# KiCad board DIP8breakout+potToUSB.kicad_pcb (continued)
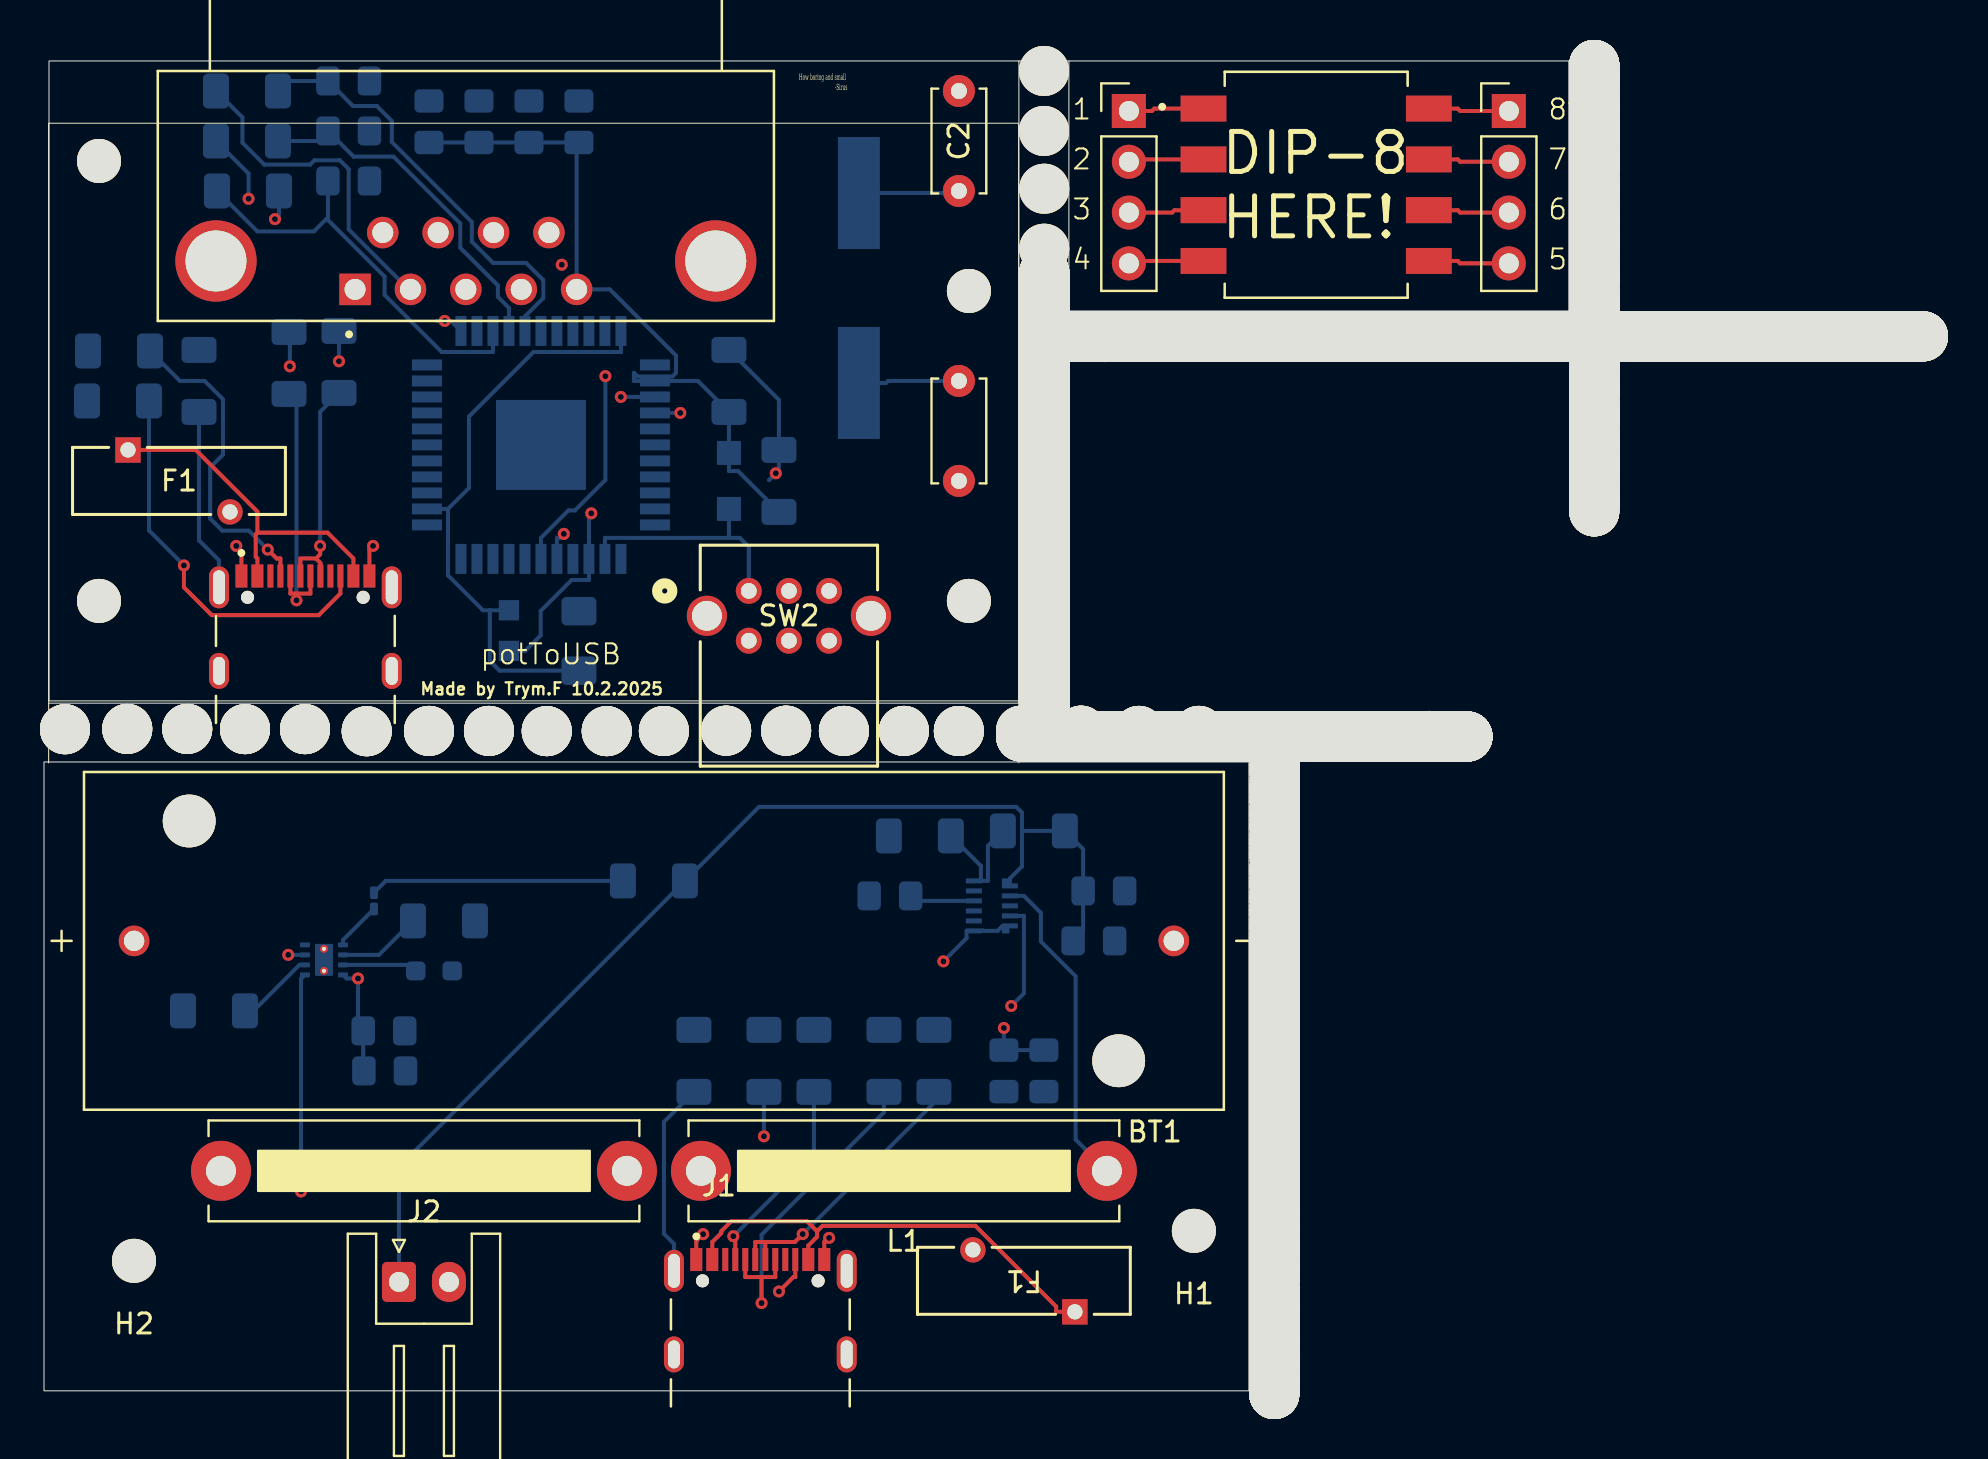
[diagram p0: board, top side]
## Placement (name value [footprint] x y rotation side) (continued)
NOREF#2196  -  [unnamed]  58.86 32.72 0 top
NOREF#2197  -  [unnamed]  67.02 32.72 0 top
NOREF#2198  -  [unnamed]  61.52 12.7 270 top
NOREF#2199  -  [unnamed]  61.52 1.44 270 top
NOREF#2200  -  [unnamed]  77.52 48.54 90 top
NOREF#2201  -  [unnamed]  77.52 64.24 90 top
NOREF#2202  -  [unnamed]  71.18 32.72 0 top
NOREF#2203  -  [unnamed]  62.78 32.72 0 top
NOREF#2204  -  [unnamed]  53.88 32.72 0 top
NOREF#2205  -  [unnamed]  50.02 52.75 90 top
NOREF#2206  -  [unnamed]  77.52 57.04 90 top
NOREF#2207  -  [unnamed]  50.02 45.51 90 top
NOREF#2208  -  [unnamed]  50.02 53.85 90 top
NOREF#2209  -  [unnamed]  66.82 32.72 0 top
NOREF#2210  -  [unnamed]  55.36 32.72 0 top
NOREF#2211  -  [unnamed]  57.82 52.73 180 top
NOREF#2212  -  [unnamed]  50.02 48.21 90 top
NOREF#2213  -  [unnamed]  77.52 60.46 90 top
NOREF#2214  -  [unnamed]  84.3 52.73 180 top
NOREF#2215  -  [unnamed]  61.98 52.73 180 top
NOREF#2216  -  [unnamed]  61.55 25.23 90 top
NOREF#2217  -  [unnamed]  66.82 32.72 0 top
NOREF#2218  -  [unnamed]  56.96 52.73 180 top
NOREF#2219  -  [unnamed]  55.94 52.73 180 top
NOREF#2220  -  [unnamed]  59.22 52.73 180 top
NOREF#2221  -  [unnamed]  61.72 32.72 0 top
NOREF#2222  -  [unnamed]  50.02 52.49 90 top
NOREF#2223  -  [unnamed]  61.52 21.1 270 top
NOREF#2224  -  [unnamed]  50.02 47.81 90 top
NOREF#2225  -  [unnamed]  79.08 52.73 180 top
NOREF#2226  -  [unnamed]  61.52 3.46 270 top
NOREF#2227  -  [unnamed]  61.52 21.96 270 top
NOREF#2228  -  [unnamed]  77.52 53.44 90 top
NOREF#2229  -  [unnamed]  50.02 55.71 90 top
NOREF#2230  -  [unnamed]  61.52 10.04 270 top
NOREF#2231  -  [unnamed]  61.55 31.93 90 top
NOREF#2232  -  [unnamed]  77.52 59.26 90 top
NOREF#2233  -  [unnamed]  77.52 46.24 90 top
NOREF#2234  -  [unnamed]  64.94 32.72 0 top
NOREF#2235  -  [unnamed]  66.2 52.73 180 top
NOREF#2236  -  [unnamed]  68.72 32.72 0 top
NOREF#2237  -  [unnamed]  61.52 15.92 270 top
NOREF#2238  -  [unnamed]  61.55 19.81 90 top
NOREF#2239  -  [unnamed]  61.52 14.92 270 top
NOREF#2240  -  [unnamed]  61.52 6.14 270 top
NOREF#2241  -  [unnamed]  82.1 52.73 180 top
NOREF#2242  -  [unnamed]  50.02 49.87 90 top
NOREF#2243  -  [unnamed]  69.62 52.73 180 top
NOREF#2244  -  [unnamed]  58.56 52.73 180 top
NOREF#2245  -  [unnamed]  61.52 15.46 270 top
NOREF#2246  -  [unnamed]  51.98 52.73 180 top
NOREF#2247  -  [unnamed]  61.52 17.6 270 top
NOREF#2248  -  [unnamed]  60.38 52.73 180 top
NOREF#2249  -  [unnamed]  77.52 47.34 90 top
NOREF#2250  -  [unnamed]  49.72 32.72 0 top
NOREF#2251  -  [unnamed]  76.86 52.73 180 top
NOREF#2252  -  [unnamed]  67.4 52.73 180 top
NOREF#2253  -  [unnamed]  77.52 53.44 90 top
NOREF#2254  -  [unnamed]  77.52 60.46 90 top
NOREF#2255  -  [unnamed]  61.52 8.9 270 top
NOREF#2256  -  [unnamed]  61.55 23.53 90 top
NOREF#2257  -  [unnamed]  61.55 19.81 90 top
NOREF#2258  -  [unnamed]  61.55 11.21 90 top
NOREF#2259  -  [unnamed]  50.02 52.75 90 top
NOREF#2260  -  [unnamed]  59.02 52.73 180 top
NOREF#2261  -  [unnamed]  60.38 52.73 180 top
NOREF#2262  -  [unnamed]  61.52 2.6 270 top
NOREF#2263  -  [unnamed]  87.06 52.73 180 top
NOREF#2264  -  [unnamed]  73.44 52.73 180 top
NOREF#2265  -  [unnamed]  50.02 33.99 90 top
NOREF#2266  -  [unnamed]  61.52 6.34 270 top
NOREF#2267  -  [unnamed]  74.4 52.73 180 top
NOREF#2268  -  [unnamed]  61.55 20.27 90 top
NOREF#2269  -  [unnamed]  61.55 18.87 90 top
NOREF#2270  -  [unnamed]  66.74 52.73 180 top
NOREF#2271  -  [unnamed]  61.55 19.61 90 top
NOREF#2272  -  [unnamed]  79.74 52.73 180 top
NOREF#2273  -  [unnamed]  65.14 52.73 180 top
NOREF#2274  -  [unnamed]  57.62 52.73 180 top
NOREF#2275  -  [unnamed]  51.32 32.72 0 top
NOREF#2276  -  [unnamed]  61.52 9.1 270 top
NOREF#2277  -  [unnamed]  69.42 52.73 180 top
NOREF#2278  -  [unnamed]  77.52 60.46 90 top
NOREF#2279  -  [unnamed]  61.55 15.45 90 top
NOREF#2280  -  [unnamed]  80.24 52.73 180 top
NOREF#2281  -  [unnamed]  50.02 35.59 90 top
NOREF#2282  -  [unnamed]  60.38 52.73 180 top
NOREF#2283  -  [unnamed]  77.52 49 90 top
NOREF#2284  -  [unnamed]  92.36 52.73 180 top
NOREF#2285  -  [unnamed]  69.78 32.72 0 top
NOREF#2286  -  [unnamed]  60.92 52.73 180 top
NOREF#2287  -  [unnamed]  78.14 52.73 180 top
NOREF#2288  -  [unnamed]  87.46 52.73 180 top
NOREF#2289  -  [unnamed]  77.52 63.84 90 top
NOREF#2290  -  [unnamed]  61.52 13.86 270 top
NOREF#2291  -  [unnamed]  72.7 52.73 180 top
NOREF#2292  -  [unnamed]  61.52 20.56 270 top
NOREF#2293  -  [unnamed]  77.52 44.38 90 top
NOREF#2294  -  [unnamed]  50.02 33.59 90 top
NOREF#2295  -  [unnamed]  61.52 7.94 270 top
NOREF#2296  -  [unnamed]  67.6 52.73 180 top
NOREF#2297  -  [unnamed]  58.52 32.72 0 top
NOREF#2298  -  [unnamed]  50.02 54.31 90 top
NOREF#2299  -  [unnamed]  50.02 42.39 90 top
NOREF#2300  -  [unnamed]  50.02 49.41 90 top
NOREF#2301  -  [unnamed]  61.52 0.9 270 top
NOREF#2302  -  [unnamed]  51.52 52.73 180 top
NOREF#2303  -  [unnamed]  57.86 32.72 0 top
NOREF#2304  -  [unnamed]  72.38 52.73 180 top
NOREF#2305  -  [unnamed]  84.5 52.73 180 top
NOREF#2306  -  [unnamed]  62.78 52.73 180 top
NOREF#2307  -  [unnamed]  50.02 35.39 90 top
NOREF#2308  -  [unnamed]  77.52 50.02 90 top
NOREF#2309  -  [unnamed]  61.52 19.5 270 top
NOREF#2310  -  [unnamed]  71.64 52.73 180 top
NOREF#2311  -  [unnamed]  82.3 52.73 180 top
NOREF#2312  -  [unnamed]  51.32 32.72 0 top
NOREF#2313  -  [unnamed]  61.52 4.2 270 top
NOREF#2314  -  [unnamed]  77.52 45.04 90 top
NOREF#2315  -  [unnamed]  77.52 57.04 90 top
NOREF#2316  -  [unnamed]  68.22 52.73 180 top
NOREF#2317  -  [unnamed]  76.86 52.73 180 top
NOREF#2318  -  [unnamed]  50.02 51.35 90 top
NOREF#2319  -  [unnamed]  57.62 52.73 180 top
NOREF#2320  -  [unnamed]  61.52 21.1 270 top
NOREF#2321  -  [unnamed]  77.52 57.04 90 top
NOREF#2322  -  [unnamed]  73.24 52.73 180 top
NOREF#2323  -  [unnamed]  61.52 4.66 270 top
NOREF#2324  -  [unnamed]  64.68 32.72 0 top
NOREF#2325  -  [unnamed]  90.34 52.73 180 top
NOREF#2326  -  [unnamed]  81.84 52.73 180 top
NOREF#2327  -  [unnamed]  77.52 64.04 90 top
NOREF#2328  -  [unnamed]  50.02 48.87 90 top
NOREF#2329  -  [unnamed]  61.52 3.66 270 top
NOREF#2330  -  [unnamed]  77.52 53.98 90 top
NOREF#2331  -  [unnamed]  61.55 12.77 90 top
NOREF#2332  -  [unnamed]  77.52 44.38 90 top
NOREF#2333  -  [unnamed]  69.62 52.73 180 top
NOREF#2334  -  [unnamed]  59.92 52.73 180 top
NOREF#2335  -  [unnamed]  61.55 22.27 90 top
NOREF#2336  -  [unnamed]  61.52 2.8 270 top
NOREF#2337  -  [unnamed]  64.68 32.72 0 top
NOREF#2338  -  [unnamed]  51.78 52.73 180 top
NOREF#2339  -  [unnamed]  77.52 45.04 90 top
NOREF#2340  -  [unnamed]  53.58 52.73 180 top
NOREF#2341  -  [unnamed]  62.38 32.72 0 top
NOREF#2342  -  [unnamed]  61.55 19.81 90 top
NOREF#2343  -  [unnamed]  61.55 23.33 90 top
NOREF#2344  -  [unnamed]  87.26 52.73 180 top
NOREF#2345  -  [unnamed]  80.9 52.73 180 top
NOREF#2346  -  [unnamed]  87.72 52.73 180 top
NOREF#2347  -  [unnamed]  50.02 52.29 90 top
NOREF#2348  -  [unnamed]  77.52 61.74 90 top
NOREF#2349  -  [unnamed]  85.66 52.73 180 top
NOREF#2350  -  [unnamed]  53.42 32.72 0 top
NOREF#2351  -  [unnamed]  61.55 22.93 90 top
NOREF#2352  -  [unnamed]  61.55 29.17 90 top
NOREF#2353  -  [unnamed]  52.22 32.72 0 top
NOREF#2354  -  [unnamed]  61.55 31.07 90 top
NOREF#2355  -  [unnamed]  51.98 52.73 180 top
NOREF#2356  -  [unnamed]  77.52 56.3 90 top
NOREF#2357  -  [unnamed]  61.52 4.2 270 top
NOREF#2358  -  [unnamed]  77.52 65.9 90 top
NOREF#2359  -  [unnamed]  50.02 48.01 90 top
NOREF#2360  -  [unnamed]  77.52 61.08 90 top
NOREF#2361  -  [unnamed]  60.32 32.72 0 top
NOREF#2362  -  [unnamed]  50.02 42.39 90 top
NOREF#2363  -  [unnamed]  50.02 43.79 90 top
NOREF#2364  -  [unnamed]  77.52 60.26 90 top
NOREF#2365  -  [unnamed]  56.5 32.72 0 top
NOREF#2366  -  [unnamed]  50.02 45.71 90 top
NOREF#2367  -  [unnamed]  61.52 1.44 270 top
NOREF#2368  -  [unnamed]  54.08 52.73 180 top
NOREF#2369  -  [unnamed]  72.58 52.73 180 top
NOREF#2370  -  [unnamed]  83.96 52.73 180 top
NOREF#2371  -  [unnamed]  62.58 52.73 180 top
NOREF#2372  -  [unnamed]  80.9 52.73 180 top
NOREF#2373  -  [unnamed]  75.46 52.73 180 top
NOREF#2374  -  [unnamed]  52.68 32.72 0 top
NOREF#2375  -  [unnamed]  66.94 52.73 180 top
NOREF#2376  -  [unnamed]  61.52 11.76 270 top
NOREF#2377  -  [unnamed]  77.52 44.38 90 top
NOREF#2378  -  [unnamed]  88.94 52.73 180 top
NOREF#2379  -  [unnamed]  61.52 0.5 270 top
NOREF#2380  -  [unnamed]  67.36 32.72 0 top
NOREF#2381  -  [unnamed]  61.52 12.5 270 top
NOREF#2382  -  [unnamed]  62.58 32.72 0 top
NOREF#2383  -  [unnamed]  80.24 52.73 180 top
NOREF#2384  -  [unnamed]  61.52 -0.16 270 top
NOREF#2385  -  [unnamed]  62.38 52.73 180 top
NOREF#2386  -  [unnamed]  61.52 19.4 270 top
NOREF#2387  -  [unnamed]  61.52 8.44 270 top
NOREF#2388  -  [unnamed]  92.16 52.73 180 top
NOREF#2389  -  [unnamed]  73.04 52.73 180 top
NOREF#2390  -  [unnamed]  61.52 19 270 top
NOREF#2391  -  [unnamed]  61.55 28.77 90 top
NOREF#2392  -  [unnamed]  79.54 52.73 180 top
NOREF#2393  -  [unnamed]  57.16 32.72 0 top
NOREF#2394  -  [unnamed]  76.46 52.73 180 top
NOREF#2395  -  [unnamed]  77.52 57.3 90 top
NOREF#2396  -  [unnamed]  50.02 40.83 90 top
NOREF#2397  -  [unnamed]  50.02 41.03 90 top
NOREF#2398  -  [unnamed]  61.52 14.72 270 top
NOREF#2399  -  [unnamed]  61.18 32.72 0 top
NOREF#2400  -  [unnamed]  50.02 34.85 90 top
NOREF#2401  -  [unnamed]  50.02 40.29 90 top
NOREF#2402  -  [unnamed]  50.02 44.45 90 top
NOREF#2403  -  [unnamed]  71.18 52.73 180 top
NOREF#2404  -  [unnamed]  66.2 52.73 180 top
NOREF#2405  -  [unnamed]  61.32 52.73 180 top
NOREF#2406  -  [unnamed]  49.26 32.72 0 top
NOREF#2407  -  [unnamed]  61.55 17.71 90 top
NOREF#2408  -  [unnamed]  81.44 52.73 180 top
NOREF#2409  -  [unnamed]  77.52 49.82 90 top
NOREF#2410  -  [unnamed]  77.52 51.42 90 top
NOREF#2411  -  [unnamed]  78.14 52.73 180 top
NOREF#2412  -  [unnamed]  61.55 29.67 90 top
NOREF#2413  -  [unnamed]  50.02 42.19 90 top
NOREF#2414  -  [unnamed]  61.52 21.76 270 top
NOREF#2415  -  [unnamed]  73.24 52.73 180 top
NOREF#2416  -  [unnamed]  91 52.73 180 top
NOREF#2417  -  [unnamed]  91.3 52.73 180 top
NOREF#2418  -  [unnamed]  79.08 52.73 180 top
NOREF#2419  -  [unnamed]  50.02 53.85 90 top
NOREF#2420  -  [unnamed]  88.94 52.73 180 top
NOREF#2421  -  [unnamed]  61.55 30.87 90 top
NOREF#2422  -  [unnamed]  70.32 32.72 0 top
NOREF#2423  -  [unnamed]  82.5 52.73 180 top
NOREF#2424  -  [unnamed]  50.66 32.72 0 top
NOREF#2425  -  [unnamed]  69.78 32.72 0 top
NOREF#2426  -  [unnamed]  62.58 52.73 180 top
NOREF#2427  -  [unnamed]  90.8 52.73 180 top
NOREF#2428  -  [unnamed]  72.5 52.73 180 top
NOREF#2429  -  [unnamed]  61.58 52.73 180 top
NOREF#2430  -  [unnamed]  77.52 57.04 90 top
NOREF#2431  -  [unnamed]  50.02 49.41 90 top
NOREF#2432  -  [unnamed]  67.16 32.72 0 top
NOREF#2433  -  [unnamed]  50.02 37.21 90 top
NOREF#2434  -  [unnamed]  57.46 32.72 0 top
NOREF#2435  -  [unnamed]  58.16 52.73 180 top
NOREF#2436  -  [unnamed]  77.52 54.18 90 top
NOREF#2437  -  [unnamed]  81.64 52.73 180 top
NOREF#2438  -  [unnamed]  52.48 32.72 0 top
NOREF#2439  -  [unnamed]  77.52 62.48 90 top
NOREF#2440  -  [unnamed]  93.76 52.73 180 top
NOREF#2441  -  [unnamed]  65.34 32.72 0 top
NOREF#2442  -  [unnamed]  77.52 49.82 90 top
NOREF#2443  -  [unnamed]  80.9 52.73 180 top
NOREF#2444  -  [unnamed]  77.52 57.04 90 top
NOREF#2445  -  [unnamed]  77.52 47.14 90 top
NOREF#2446  -  [unnamed]  62.78 52.73 180 top
NOREF#2447  -  [unnamed]  61.55 10.67 90 top
NOREF#2448  -  [unnamed]  61.55 29.27 90 top
NOREF#2449  -  [unnamed]  61.55 10.01 90 top
NOREF#2450  -  [unnamed]  50.02 52.75 90 top
NOREF#2451  -  [unnamed]  77.52 49.82 90 top
NOREF#2452  -  [unnamed]  61.52 4 270 top
NOREF#2453  -  [unnamed]  67.14 52.73 180 top
NOREF#2454  -  [unnamed]  50.02 48.21 90 top
NOREF#2455  -  [unnamed]  61.55 21.47 90 top
NOREF#2456  -  [unnamed]  66.94 52.73 180 top
NOREF#2457  -  [unnamed]  61.52 20.9 270 top
NOREF#2458  -  [unnamed]  68.22 52.73 180 top
NOREF#2459  -  [unnamed]  50.02 36.55 90 top
NOREF#2460  -  [unnamed]  54.08 32.72 0 top
NOREF#2461  -  [unnamed]  59.72 32.72 0 top
NOREF#2462  -  [unnamed]  50.02 53.45 90 top
NOREF#2463  -  [unnamed]  77.52 45.58 90 top
NOREF#2464  -  [unnamed]  50.02 48.01 90 top
NOREF#2465  -  [unnamed]  52.88 32.72 0 top
NOREF#2466  -  [unnamed]  69.58 32.72 0 top
NOREF#2467  -  [unnamed]  58.36 52.73 180 top
NOREF#2468  -  [unnamed]  50.02 41.89 90 top
NOREF#2469  -  [unnamed]  83.3 52.73 180 top
NOREF#2470  -  [unnamed]  61.52 15.46 270 top
NOREF#2471  -  [unnamed]  93.1 52.73 180 top
NOREF#2472  -  [unnamed]  70.48 52.73 180 top
NOREF#2473  -  [unnamed]  86.72 52.73 180 top
NOREF#2474  -  [unnamed]  65.04 52.73 180 top
NOREF#2475  -  [unnamed]  50.02 55.71 90 top
NOREF#2476  -  [unnamed]  77.52 49.82 90 top
NOREF#2477  -  [unnamed]  61.55 16.31 90 top
NOREF#2478  -  [unnamed]  51.78 52.73 180 top
NOREF#2479  -  [unnamed]  50.02 51.09 90 top
NOREF#2480  -  [unnamed]  61.55 17.71 90 top
NOREF#2481  -  [unnamed]  61.55 31.73 90 top
NOREF#2482  -  [unnamed]  77.52 58.86 90 top
NOREF#2483  -  [unnamed]  55.68 52.73 180 top
NOREF#2484  -  [unnamed]  77.52 47.14 90 top
NOREF#2485  -  [unnamed]  61.55 23.33 90 top
NOREF#2486  -  [unnamed]  61.52 14.92 270 top
NOREF#2487  -  [unnamed]  77.52 54.18 90 top
NOREF#2488  -  [unnamed]  73.44 52.73 180 top
NOREF#2489  -  [unnamed]  89.94 52.73 180 top
NOREF#2490  -  [unnamed]  61.52 13.36 270 top
NOREF#2491  -  [unnamed]  61.55 23.63 90 top
NOREF#2492  -  [unnamed]  50.02 40.83 90 top
NOREF#2493  -  [unnamed]  50.02 52.29 90 top
NOREF#2494  -  [unnamed]  77.52 43.98 90 top
NOREF#2495  -  [unnamed]  54.08 32.72 0 top
NOREF#2496  -  [unnamed]  56.14 52.73 180 top
NOREF#2497  -  [unnamed]  77.52 47.8 90 top
NOREF#2498  -  [unnamed]  69.82 52.73 180 top
NOREF#2499  -  [unnamed]  61.52 2.1 270 top
NOREF#2500  -  [unnamed]  61.52 12.9 270 top
NOREF#2501  -  [unnamed]  75.8 52.73 180 top
NOREF#2502  -  [unnamed]  50.02 38.15 90 top
NOREF#2503  -  [unnamed]  55.9 32.72 0 top
NOREF#2504  -  [unnamed]  61.55 31.53 90 top
NOREF#2505  -  [unnamed]  77.52 50.22 90 top
NOREF#2506  -  [unnamed]  51.98 52.73 180 top
NOREF#2507  -  [unnamed]  61.52 21.5 270 top
NOREF#2508  -  [unnamed]  77.52 48.34 90 top
NOREF#2509  -  [unnamed]  86.72 52.73 180 top
NOREF#2510  -  [unnamed]  71.44 52.73 180 top
NOREF#2511  -  [unnamed]  72.9 52.73 180 top
NOREF#2512  -  [unnamed]  78.88 52.73 180 top
NOREF#2513  -  [unnamed]  77.52 46.44 90 top
NOREF#2514  -  [unnamed]  63.78 52.73 180 top
NOREF#2515  -  [unnamed]  61.55 21.93 90 top
NOREF#2516  -  [unnamed]  63.08 32.72 0 top
NOREF#2517  -  [unnamed]  55.56 32.72 0 top
NOREF#2518  -  [unnamed]  61.52 17.6 270 top
NOREF#2519  -  [unnamed]  88.94 52.73 180 top
NOREF#2520  -  [unnamed]  61.52 4.66 270 top
NOREF#2521  -  [unnamed]  53.38 52.73 180 top
NOREF#2522  -  [unnamed]  77.52 55.64 90 top
NOREF#2523  -  [unnamed]  61.55 23.13 90 top
NOREF#2524  -  [unnamed]  61.52 15.26 270 top
NOREF#2525  -  [unnamed]  50.02 41.69 90 top
NOREF#2526  -  [unnamed]  50.02 51.09 90 top
NOREF#2527  -  [unnamed]  77.52 53.44 90 top
NOREF#2528  -  [unnamed]  61.55 19.81 90 top
NOREF#2529  -  [unnamed]  86.06 52.73 180 top
NOREF#2530  -  [unnamed]  72.5 52.73 180 top
NOREF#2531  -  [unnamed]  61.52 2.8 270 top
NOREF#2532  -  [unnamed]  61.55 10.67 90 top
NOREF#2533  -  [unnamed]  50.02 50.07 90 top
NOREF#2534  -  [unnamed]  54.08 32.72 0 top
NOREF#2535  -  [unnamed]  59.52 52.73 180 top
NOREF#2536  -  [unnamed]  63.94 32.72 0 top
NOREF#2537  -  [unnamed]  61.52 0.04 270 top
NOREF#2538  -  [unnamed]  77.52 47.8 90 top
NOREF#2539  -  [unnamed]  77.52 51.42 90 top
NOREF#2540  -  [unnamed]  89.8 52.73 180 top
NOREF#2541  -  [unnamed]  54.08 52.73 180 top
NOREF#2542  -  [unnamed]  63.28 32.72 0 top
NOREF#2543  -  [unnamed]  61.52 15.46 270 top
NOREF#2544  -  [unnamed]  61.55 23.53 90 top
NOREF#2545  -  [unnamed]  77.52 54.84 90 top
NOREF#2546  -  [unnamed]  50.02 43.05 90 top
NOREF#2547  -  [unnamed]  50.02 53.65 90 top
NOREF#2548  -  [unnamed]  61.52 11.1 270 top
NOREF#2549  -  [unnamed]  52.72 52.73 180 top
NOREF#2550  -  [unnamed]  56.1 32.72 0 top
NOREF#2551  -  [unnamed]  73.9 52.73 180 top
NOREF#2552  -  [unnamed]  67.4 52.73 180 top
NOREF#2553  -  [unnamed]  61.52 17.4 270 top
NOREF#2554  -  [unnamed]  61.52 1.44 270 top
NOREF#2555  -  [unnamed]  61.78 52.73 180 top
NOREF#2556  -  [unnamed]  50.02 47.31 90 top
NOREF#2557  -  [unnamed]  77.52 52.08 90 top
NOREF#2558  -  [unnamed]  61.55 26.71 90 top
NOREF#2559  -  [unnamed]  50.02 35.85 90 top
NOREF#2560  -  [unnamed]  63.78 52.73 180 top
NOREF#2561  -  [unnamed]  77.52 49.2 90 top
NOREF#2562  -  [unnamed]  80.24 52.73 180 top
NOREF#2563  -  [unnamed]  50.02 36.05 90 top
NOREF#2564  -  [unnamed]  61.55 10.47 90 top
NOREF#2565  -  [unnamed]  61.52 3.46 270 top
NOREF#2566  -  [unnamed]  86.32 52.73 180 top
NOREF#2567  -  [unnamed]  61.52 2.1 270 top
NOREF#2568  -  [unnamed]  59.52 32.72 0 top
NOREF#2569  -  [unnamed]  52.68 32.72 0 top
NOREF#2570  -  [unnamed]  50.02 41.69 90 top
NOREF#2571  -  [unnamed]  61.55 23.83 90 top
NOREF#2572  -  [unnamed]  61.52 21.1 270 top
NOREF#2573  -  [unnamed]  61.55 22.13 90 top
NOREF#2574  -  [unnamed]  77.52 44.84 90 top
NOREF#2575  -  [unnamed]  62.38 52.73 180 top
NOREF#2576  -  [unnamed]  61.52 6.54 270 top
NOREF#2577  -  [unnamed]  77.52 52.98 90 top
NOREF#2578  -  [unnamed]  64.48 32.72 0 top
NOREF#2579  -  [unnamed]  61.52 4.4 270 top
NOREF#2580  -  [unnamed]  62.58 32.72 0 top
NOREF#2581  -  [unnamed]  78.14 52.73 180 top
NOREF#2582  -  [unnamed]  50.02 36.95 90 top
NOREF#2583  -  [unnamed]  50.02 52.95 90 top
NOREF#2584  -  [unnamed]  73.7 52.73 180 top
NOREF#2585  -  [unnamed]  61.55 25.63 90 top
NOREF#2586  -  [unnamed]  88.12 52.73 180 top
NOREF#2587  -  [unnamed]  50.02 39.43 90 top
NOREF#2588  -  [unnamed]  50.02 41.89 90 top
NOREF#2589  -  [unnamed]  50.66 32.72 0 top
NOREF#2590  -  [unnamed]  77.52 52.28 90 top
NOREF#2591  -  [unnamed]  83.76 52.73 180 top
NOREF#2592  -  [unnamed]  51.72 52.73 180 top
NOREF#2593  -  [unnamed]  70.98 32.72 0 top
NOREF#2594  -  [unnamed]  60.98 32.72 0 top
NOREF#2595  -  [unnamed]  61.52 1.44 270 top
NOREF#2596  -  [unnamed]  70.98 32.72 0 top
NOREF#2597  -  [unnamed]  83.96 52.73 180 top
NOREF#2598  -  [unnamed]  72.7 52.73 180 top
NOREF#2599  -  [unnamed]  61.55 12.07 90 top
NOREF#2600  -  [unnamed]  77.52 59.06 90 top
NOREF#2601  -  [unnamed]  50.02 40.63 90 top
NOREF#2602  -  [unnamed]  50.02 48.47 90 top
NOREF#2603  -  [unnamed]  61.55 11.87 90 top
NOREF#2604  -  [unnamed]  61.55 12.07 90 top
NOREF#2605  -  [unnamed]  77.52 65.44 90 top
NOREF#2606  -  [unnamed]  61.55 22.67 90 top
NOREF#2607  -  [unnamed]  84.3 52.73 180 top
NOREF#2608  -  [unnamed]  61.55 29.87 90 top
NOREF#2609  -  [unnamed]  77.52 51.62 90 top
NOREF#2610  -  [unnamed]  61.52 11.96 270 top
NOREF#2611  -  [unnamed]  61.55 30.13 90 top
NOREF#2612  -  [unnamed]  73.44 52.73 180 top
NOREF#2613  -  [unnamed]  60.12 52.73 180 top
NOREF#2614  -  [unnamed]  50.46 32.72 0 top
NOREF#2615  -  [unnamed]  61.55 24.69 90 top
NOREF#2616  -  [unnamed]  77.52 54.64 90 top
NOREF#2617  -  [unnamed]  58.56 52.73 180 top
NOREF#2618  -  [unnamed]  61.52 10.3 270 top
NOREF#2619  -  [unnamed]  61.52 3.46 270 top
NOREF#2620  -  [unnamed]  72.04 52.73 180 top
NOREF#2621  -  [unnamed]  88.94 52.73 180 top
NOREF#2622  -  [unnamed]  77.52 53.64 90 top
NOREF#2623  -  [unnamed]  93.1 52.73 180 top
NOREF#2624  -  [unnamed]  77.52 47.4 90 top
NOREF#2625  -  [unnamed]  57.26 32.72 0 top
NOREF#2626  -  [unnamed]  63.08 32.72 0 top
NOREF#2627  -  [unnamed]  60.52 32.72 0 top
NOREF#2628  -  [unnamed]  54.74 52.73 180 top
NOREF#2629  -  [unnamed]  50.02 44.45 90 top
NOREF#2630  -  [unnamed]  63.44 52.73 180 top
NOREF#2631  -  [unnamed]  81.44 52.73 180 top
NOREF#2632  -  [unnamed]  61.55 12.37 90 top
NOREF#2633  -  [unnamed]  71.84 52.73 180 top
NOREF#2634  -  [unnamed]  78.88 52.73 180 top
NOREF#2635  -  [unnamed]  76 52.73 180 top
NOREF#2636  -  [unnamed]  65.34 32.72 0 top
NOREF#2637  -  [unnamed]  61.92 32.72 0 top
NOREF#2638  -  [unnamed]  60.58 52.73 180 top
NOREF#2639  -  [unnamed]  61.55 24.03 90 top
NOREF#2640  -  [unnamed]  77.52 62.68 90 top
NOREF#2641  -  [unnamed]  51.82 32.72 0 top
NOREF#2642  -  [unnamed]  61.52 9.84 270 top
NOREF#2643  -  [unnamed]  66.16 32.72 0 top
NOREF#2644  -  [unnamed]  61.55 20.07 90 top
NOREF#2645  -  [unnamed]  61.52 19.2 270 top
NOREF#2646  -  [unnamed]  50.02 46.45 90 top
NOREF#2647  -  [unnamed]  50.02 39.83 90 top
NOREF#2648  -  [unnamed]  79.34 52.73 180 top
NOREF#2649  -  [unnamed]  50.02 36.75 90 top
NOREF#2650  -  [unnamed]  61.55 20.01 90 top
NOREF#2651  -  [unnamed]  50.02 35.85 90 top
NOREF#2652  -  [unnamed]  50.02 35.65 90 top
NOREF#2653  -  [unnamed]  61.55 31.73 90 top
NOREF#2654  -  [unnamed]  88.74 52.73 180 top
NOREF#2655  -  [unnamed]  63.54 32.72 0 top
NOREF#2656  -  [unnamed]  61.55 22.13 90 top
NOREF#2657  -  [unnamed]  61.55 26.91 90 top
NOREF#2658  -  [unnamed]  61.52 9.84 270 top
NOREF#2659  -  [unnamed]  61.52 12.16 270 top
NOREF#2660  -  [unnamed]  61.18 32.72 0 top
NOREF#2661  -  [unnamed]  59.72 52.73 180 top
NOREF#2662  -  [unnamed]  50.02 42.39 90 top
NOREF#2663  -  [unnamed]  90.14 52.73 180 top
NOREF#2664  -  [unnamed]  50.02 41.03 90 top
NOREF#2665  -  [unnamed]  50.02 48.47 90 top
NOREF#2666  -  [unnamed]  50.02 43.59 90 top
NOREF#2667  -  [unnamed]  68.88 52.73 180 top
NOREF#2668  -  [unnamed]  69.62 52.73 180 top
NOREF#2669  -  [unnamed]  59.06 32.72 0 top
NOREF#2670  -  [unnamed]  86.52 52.73 180 top
NOREF#2671  -  [unnamed]  61.55 11.21 90 top
NOREF#2672  -  [unnamed]  61.52 8.44 270 top
NOREF#2673  -  [unnamed]  50.12 32.72 0 top
NOREF#2674  -  [unnamed]  70.08 52.73 180 top
NOREF#2675  -  [unnamed]  77.52 50.68 90 top
NOREF#2676  -  [unnamed]  60.38 52.73 180 top
NOREF#2677  -  [unnamed]  61.55 22.67 90 top
NOREF#2678  -  [unnamed]  54.48 52.73 180 top
NOREF#2679  -  [unnamed]  61.55 26.09 90 top
NOREF#2680  -  [unnamed]  61.52 3.46 270 top
NOREF#2681  -  [unnamed]  82.3 52.73 180 top
NOREF#2682  -  [unnamed]  65.96 32.72 0 top
NOREF#2683  -  [unnamed]  66.54 52.73 180 top
NOREF#2684  -  [unnamed]  50.02 36.05 90 top
NOREF#2685  -  [unnamed]  50.02 40.09 90 top
NOREF#2686  -  [unnamed]  52.18 52.73 180 top
NOREF#2687  -  [unnamed]  66.4 52.73 180 top
NOREF#2688  -  [unnamed]  77.52 45.58 90 top
NOREF#2689  -  [unnamed]  49.26 32.72 0 top
NOREF#2690  -  [unnamed]  77.52 65.24 90 top
NOREF#2691  -  [unnamed]  77.52 52.98 90 top
NOREF#2692  -  [unnamed]  61.52 15.26 270 top
NOREF#2693  -  [unnamed]  50.02 49.21 90 top
NOREF#2694  -  [unnamed]  67.6 52.73 180 top
NOREF#2695  -  [unnamed]  50.02 45.25 90 top
NOREF#2696  -  [unnamed]  77.52 56.1 90 top
NOREF#2697  -  [unnamed]  77.52 46.44 90 top
NOREF#2698  -  [unnamed]  52.02 32.72 0 top
NOREF#2699  -  [unnamed]  72.58 52.73 180 top
NOREF#2700  -  [unnamed]  60.38 52.73 180 top
NOREF#2701  -  [unnamed]  61.52 12.16 270 top
NOREF#2702  -  [unnamed]  61.52 21.3 270 top
NOREF#2703  -  [unnamed]  77.52 56.5 90 top
NOREF#2704  -  [unnamed]  50.02 51.89 90 top
NOREF#2705  -  [unnamed]  86.32 52.73 180 top
NOREF#2706  -  [unnamed]  61.55 23.13 90 top
NOREF#2707  -  [unnamed]  65.96 32.72 0 top
NOREF#2708  -  [unnamed]  59.72 32.72 0 top
NOREF#2709  -  [unnamed]  77.68 52.73 180 top
NOREF#2710  -  [unnamed]  61.52 10.5 270 top
NOREF#2711  -  [unnamed]  70.78 52.73 180 top
NOREF#2712  -  [unnamed]  61.52 9.1 270 top
NOREF#2713  -  [unnamed]  56.14 52.73 180 top
NOREF#2714  -  [unnamed]  50.02 51.55 90 top
NOREF#2715  -  [unnamed]  61.52 2.1 270 top
NOREF#2716  -  [unnamed]  50.02 55.25 90 top
NOREF#2717  -  [unnamed]  89.4 52.73 180 top
NOREF#2718  -  [unnamed]  61.52 2.3 270 top
NOREF#2719  -  [unnamed]  61.55 30.53 90 top
NOREF#2720  -  [unnamed]  61.55 17.25 90 top
NOREF#2721  -  [unnamed]  61.52 3.46 270 top
NOREF#2722  -  [unnamed]  49.92 32.72 0 top
NOREF#2723  -  [unnamed]  61.55 14.83 90 top
NOREF#2724  -  [unnamed]  50.02 52.09 90 top
NOREF#2725  -  [unnamed]  64.18 52.73 180 top
NOREF#2726  -  [unnamed]  77.52 65.24 90 top
NOREF#2727  -  [unnamed]  77.52 61.74 90 top
NOREF#2728  -  [unnamed]  77.52 54.84 90 top
NOREF#2729  -  [unnamed]  50.02 52.49 90 top
NOREF#2730  -  [unnamed]  61.52 21.1 270 top
NOREF#2731  -  [unnamed]  73.24 52.73 180 top
NOREF#2732  -  [unnamed]  50.02 53.15 90 top
NOREF#2733  -  [unnamed]  85.16 52.73 180 top
NOREF#2734  -  [unnamed]  65.74 52.73 180 top
NOREF#2735  -  [unnamed]  91.3 52.73 180 top
NOREF#2736  -  [unnamed]  61.52 14.52 270 top
NOREF#2737  -  [unnamed]  61.52 14.92 270 top
NOREF#2738  -  [unnamed]  61.55 22.13 90 top
NOREF#2739  -  [unnamed]  72.58 52.73 180 top
NOREF#2740  -  [unnamed]  76.2 52.73 180 top
NOREF#2741  -  [unnamed]  50.02 53.15 90 top
NOREF#2742  -  [unnamed]  77.52 59.6 90 top
NOREF#2743  -  [unnamed]  59.92 52.73 180 top
NOREF#2744  -  [unnamed]  66.2 52.73 180 top
NOREF#2745  -  [unnamed]  67.6 52.73 180 top
NOREF#2746  -  [unnamed]  61.55 29.47 90 top
NOREF#2747  -  [unnamed]  52.18 52.73 180 top
NOREF#2748  -  [unnamed]  77.52 48 90 top
NOREF#2749  -  [unnamed]  50.02 43.79 90 top
